# Altium PCB PCB1.PcbDoc (part 1 of 3)
Units mm, origin at the board's own origin, x right, y up, seen from the top; angles counter-clockwise.
Board outline 80 x 100 mm, 4 copper layers (Top Layer, Layer 1, Layer 2, Bottom Layer), stack 1.683 mm thick; 223 components, 229 nets, 969 pads, 380 vias.
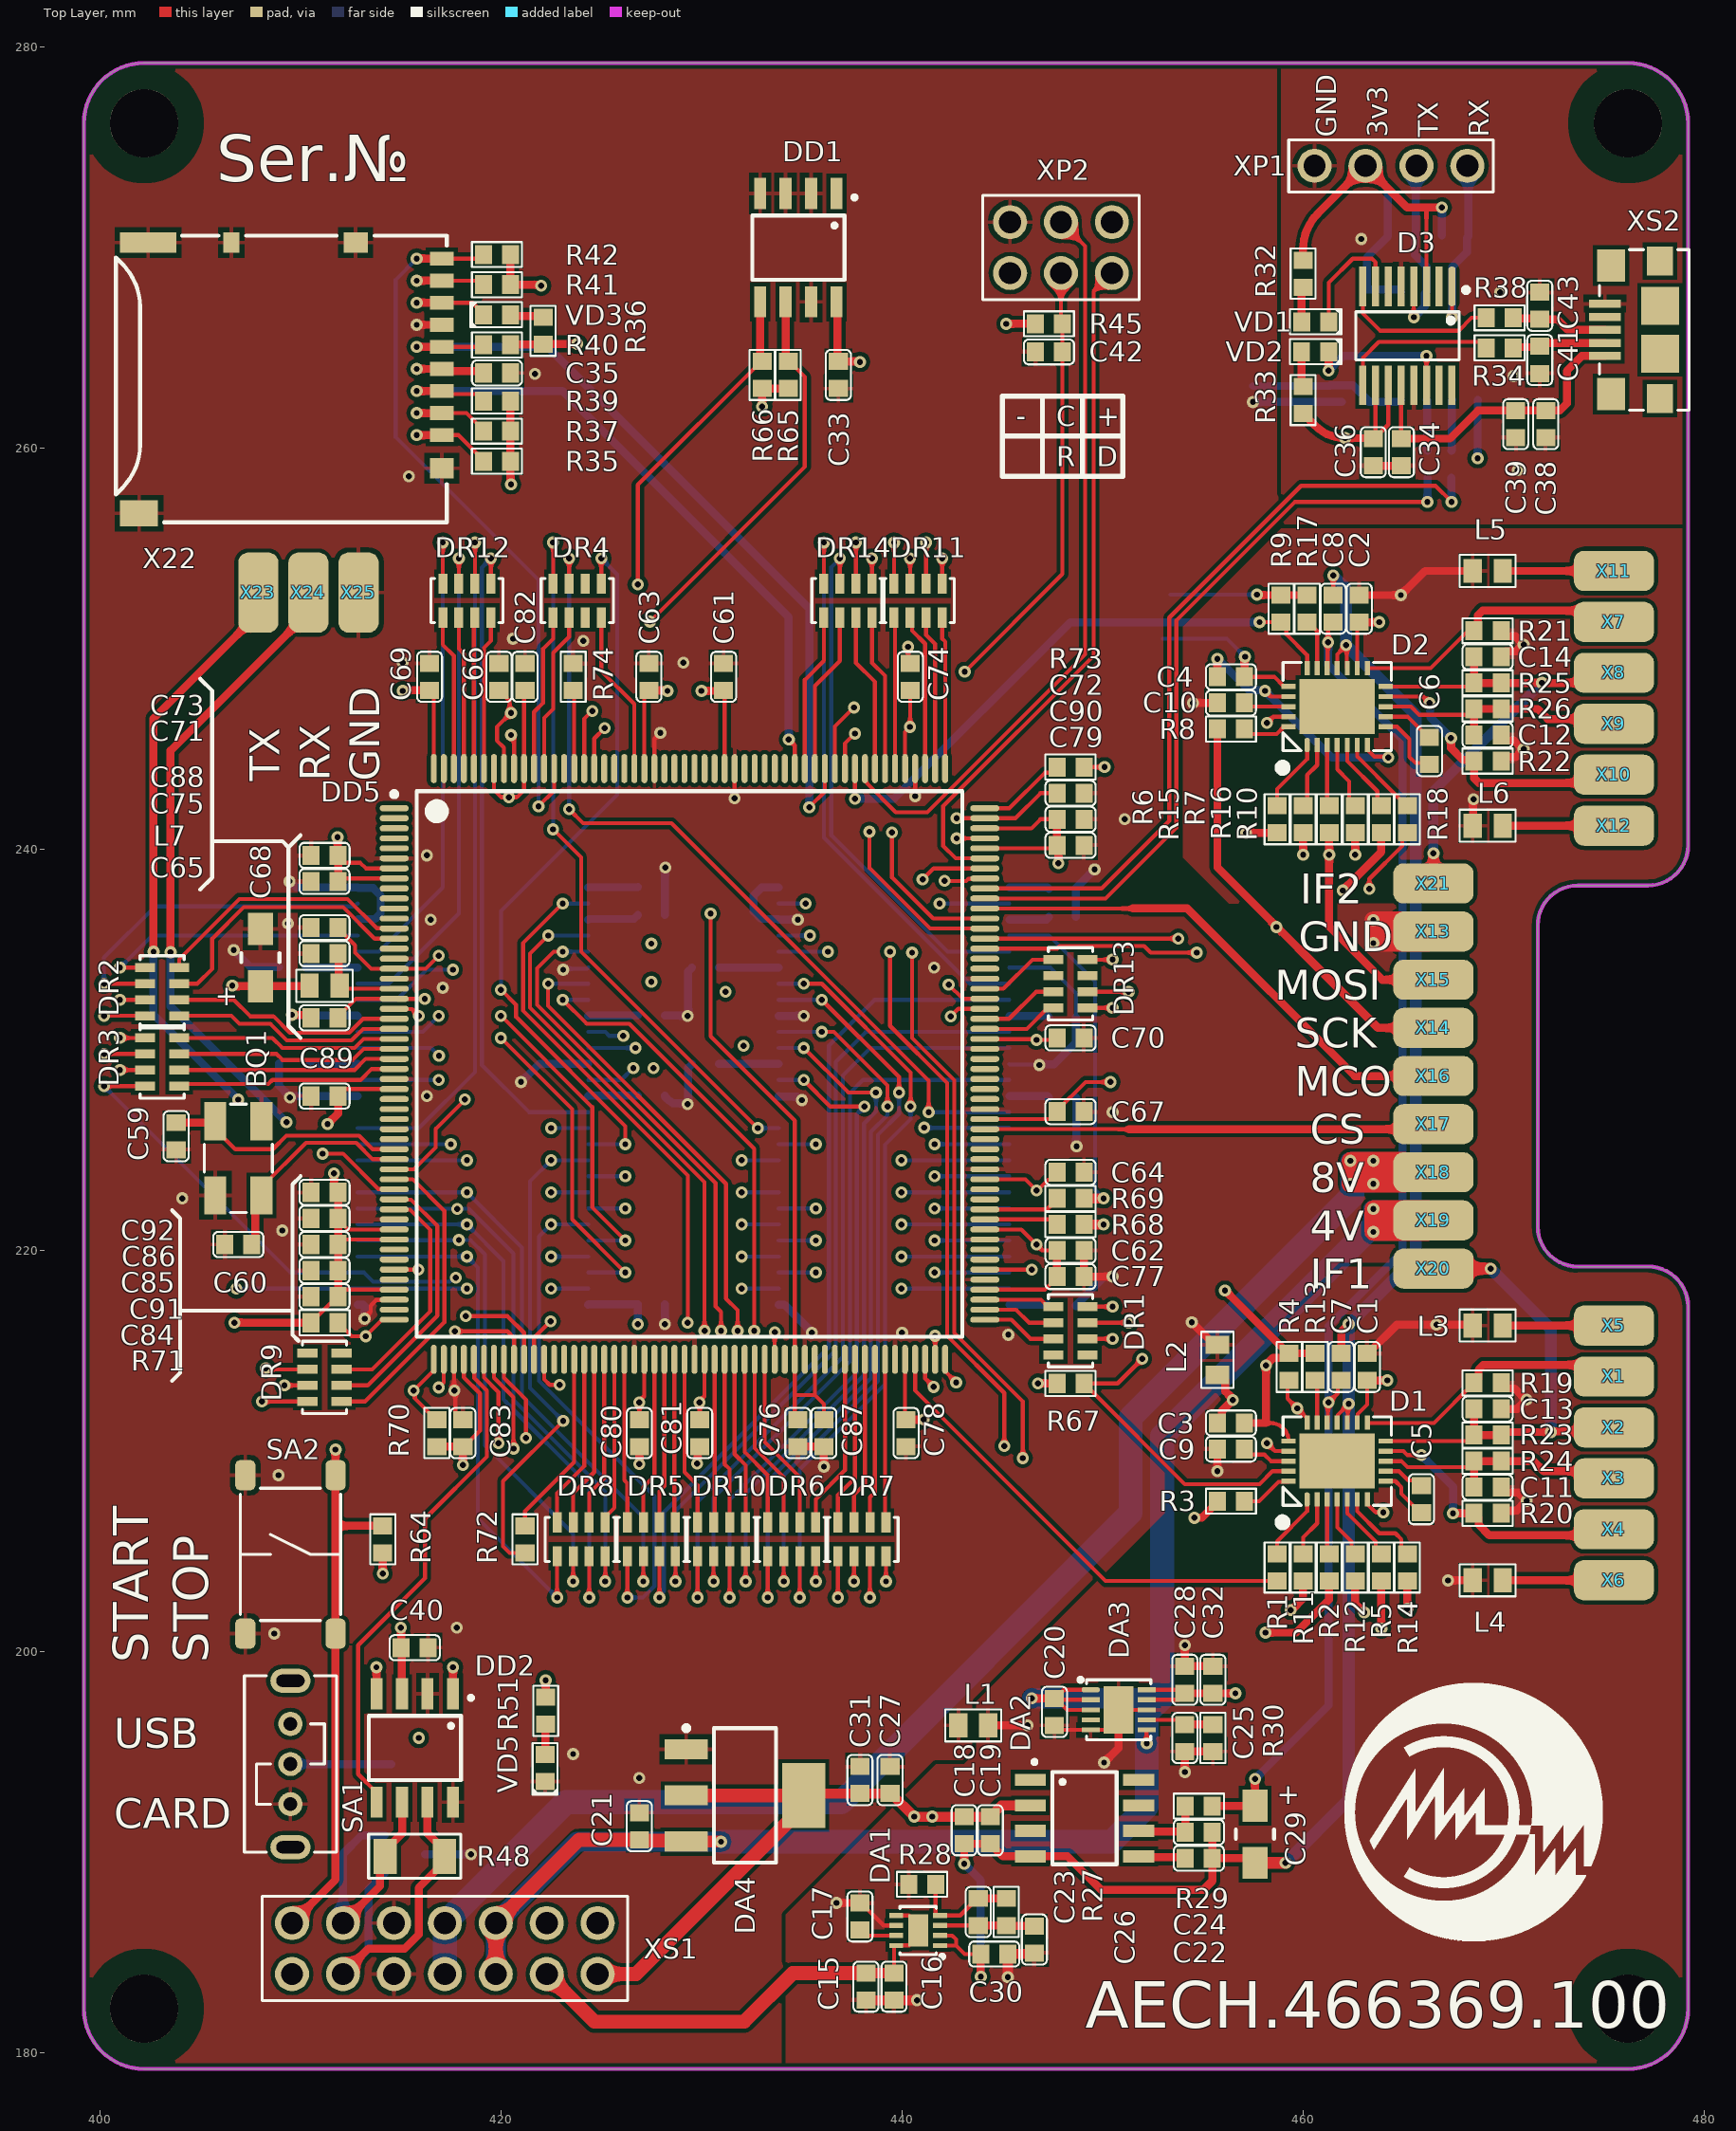
[diagram p0: Top Layer view]
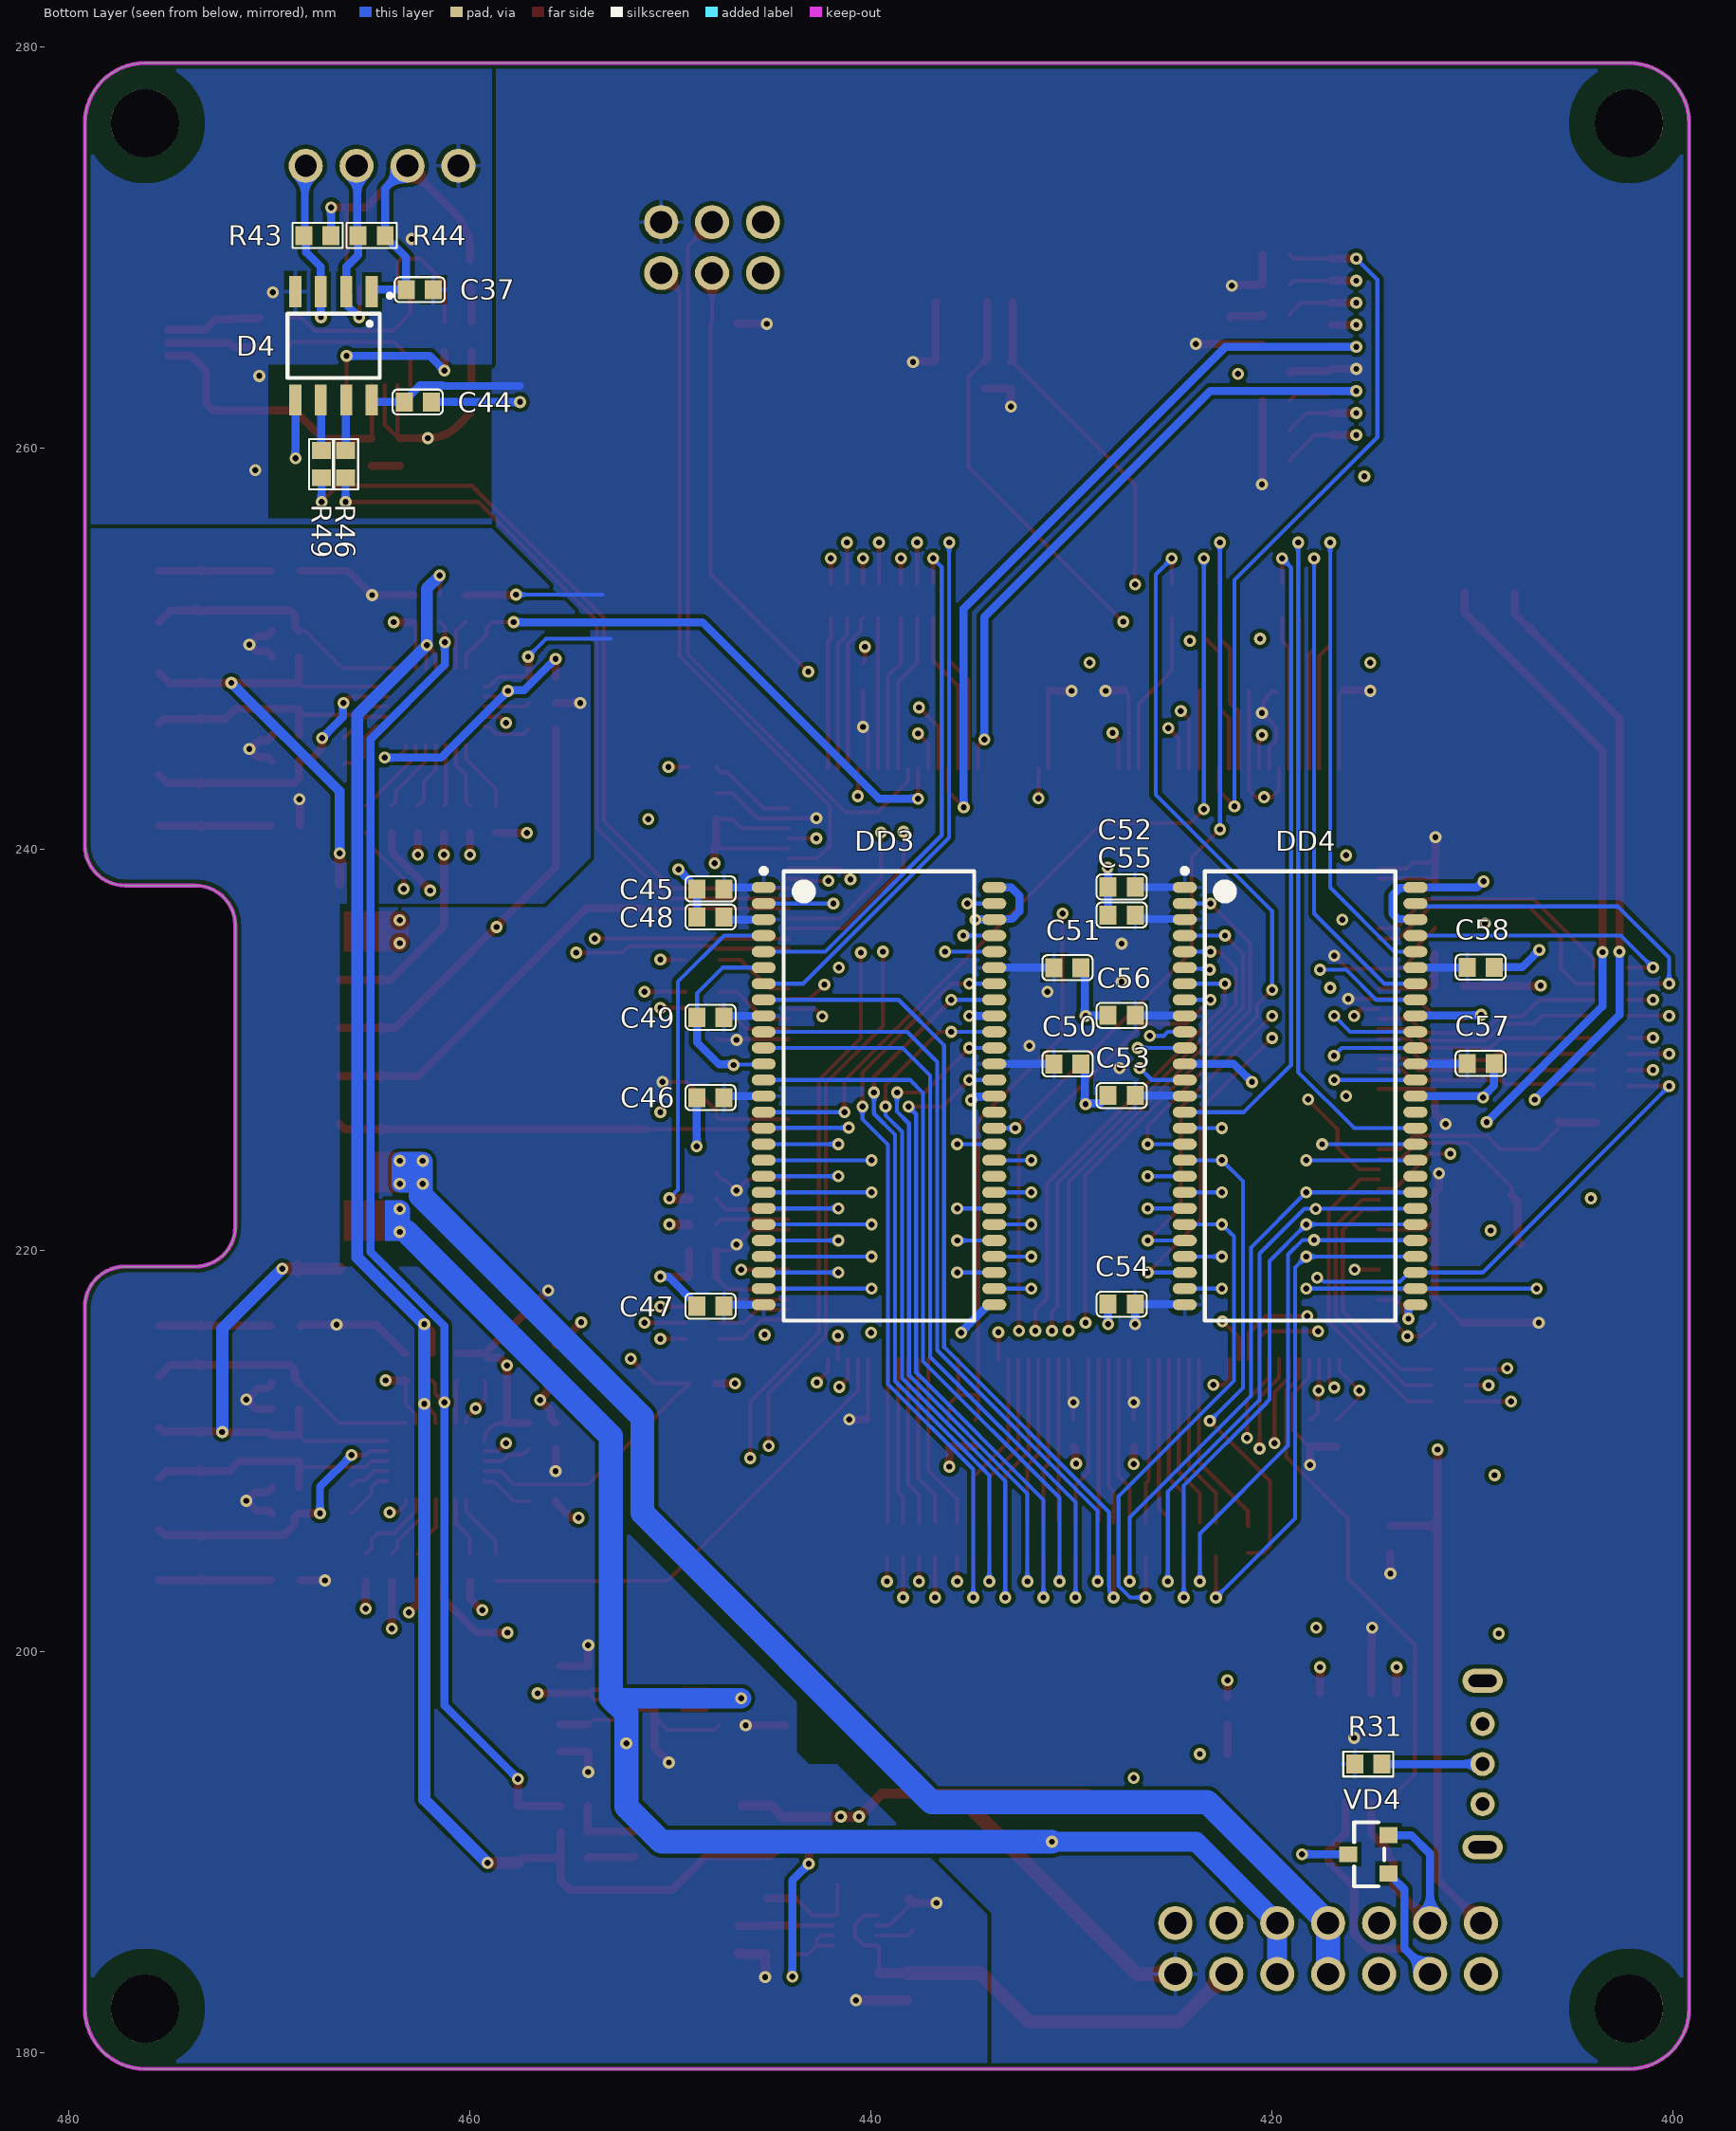
[diagram p1: Bottom Layer view, seen from below]
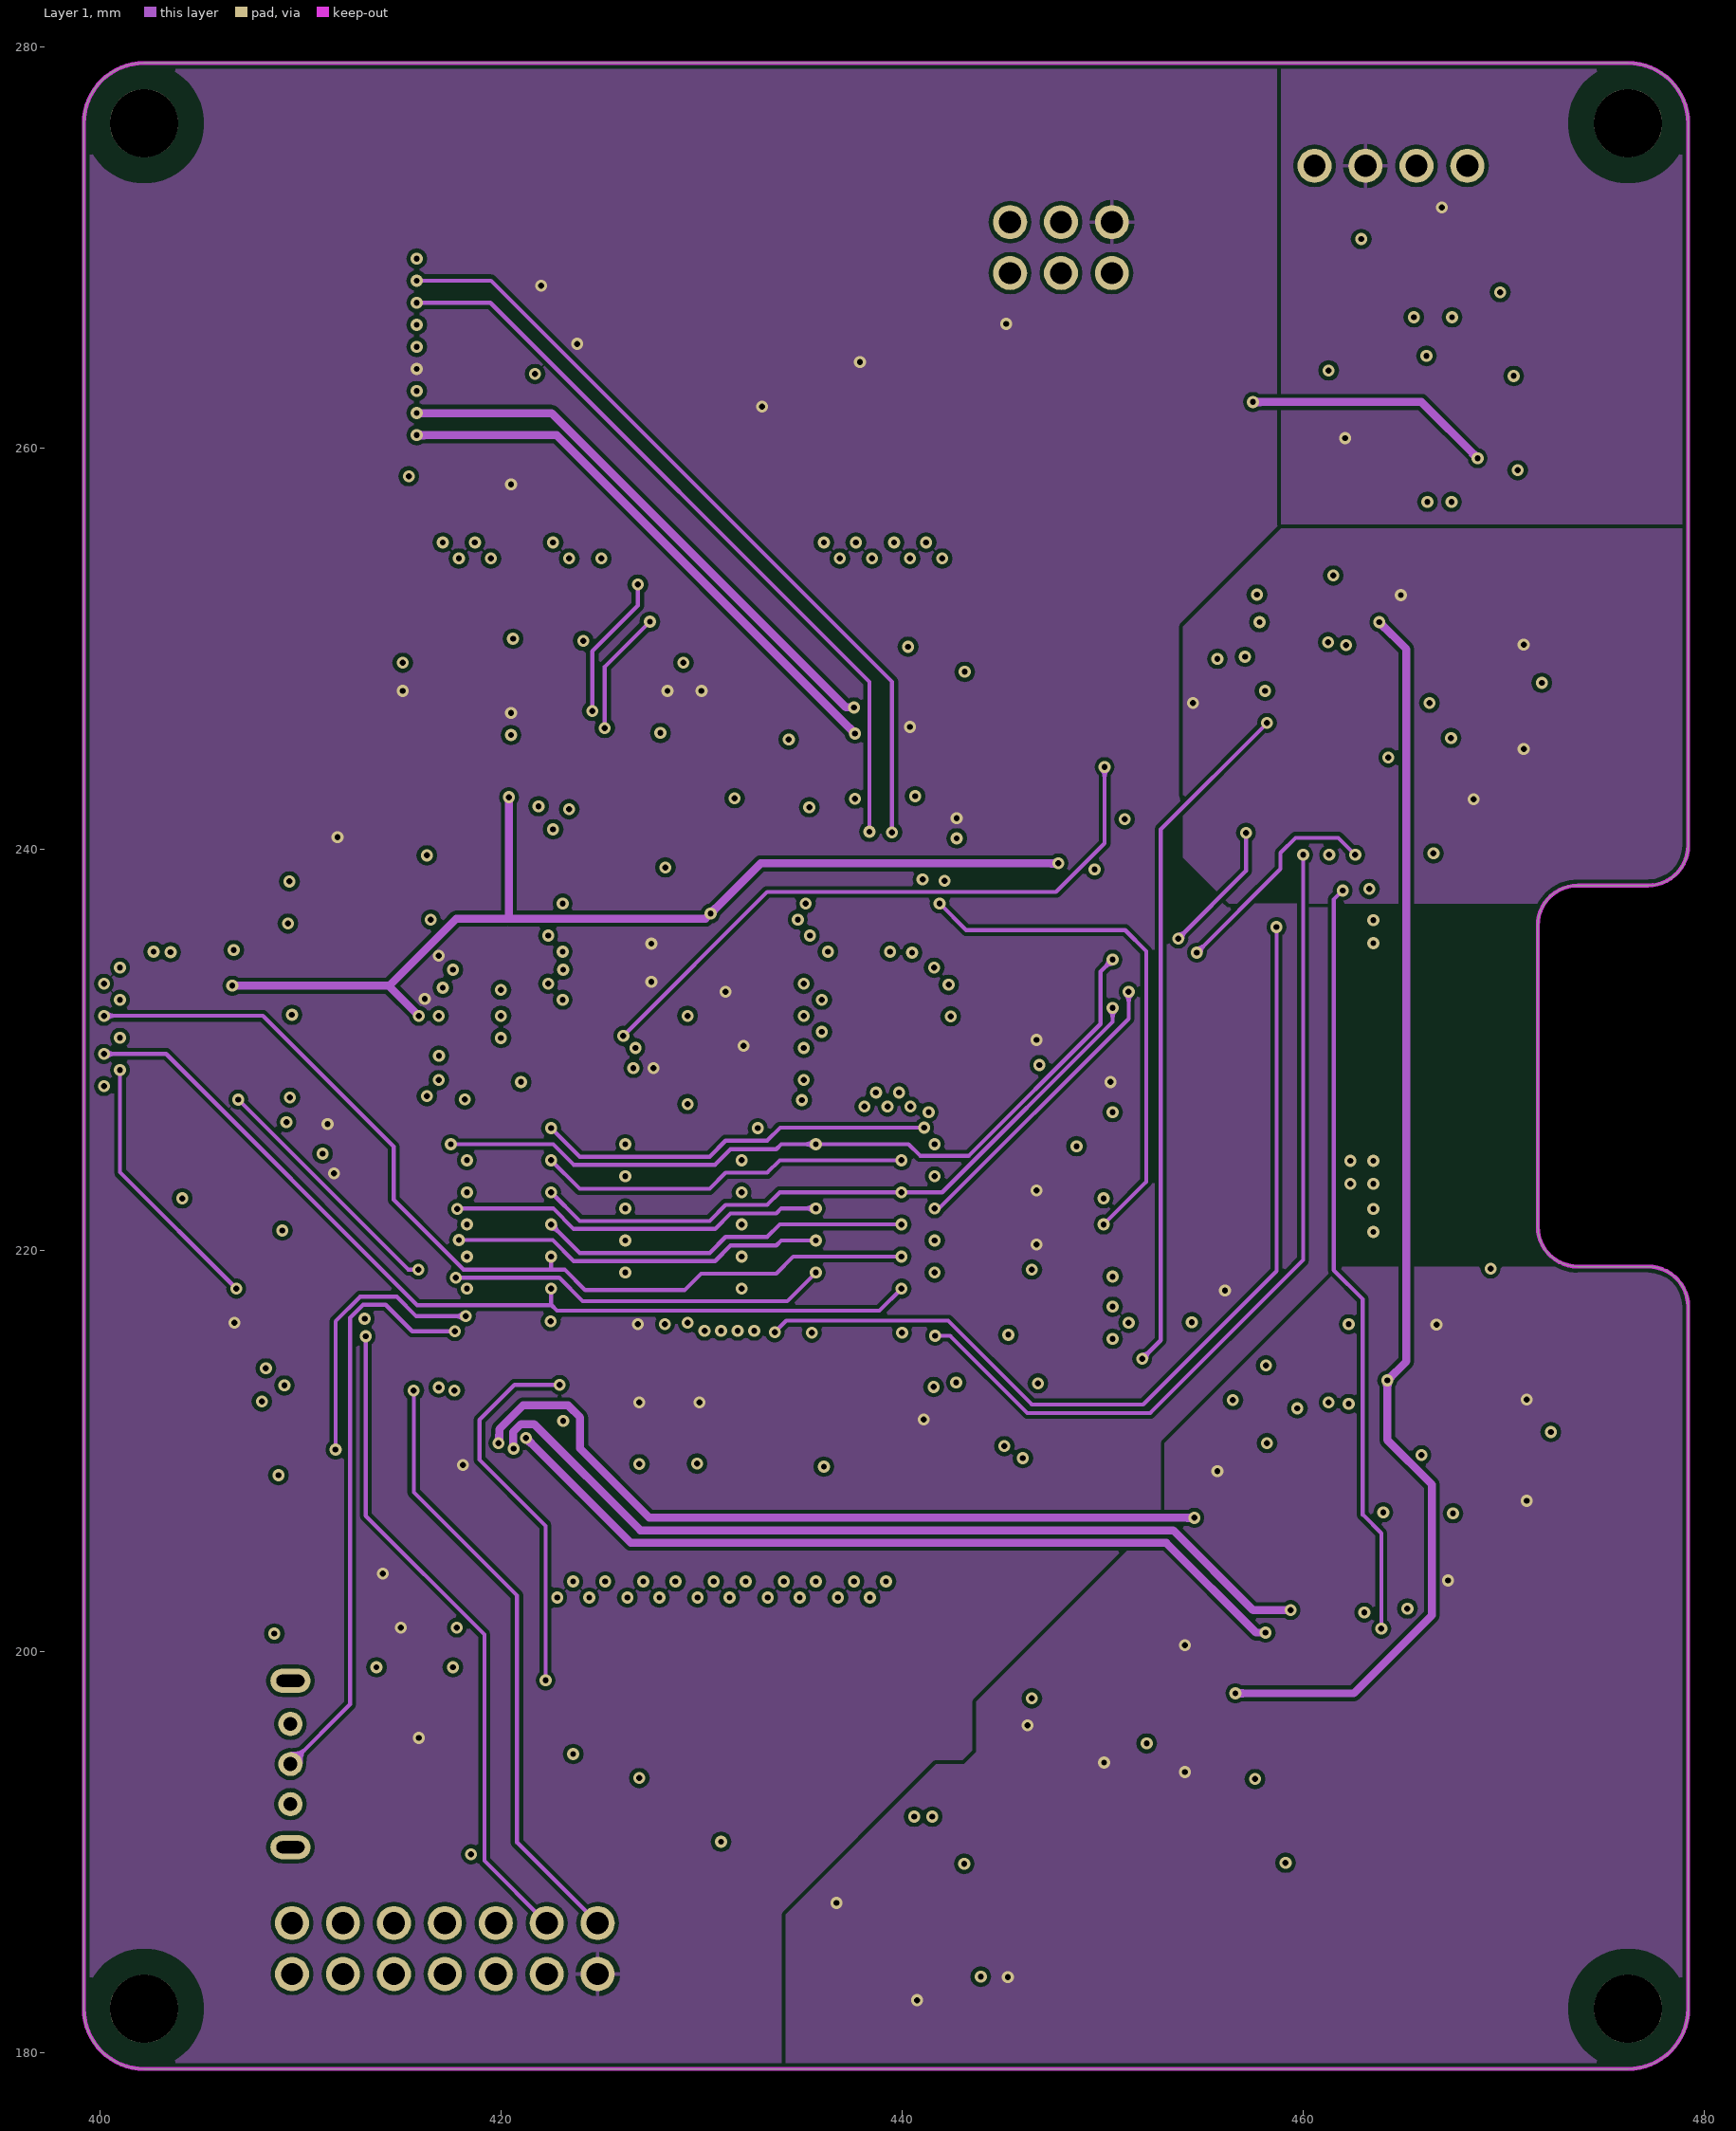
[diagram p2: Layer 1]
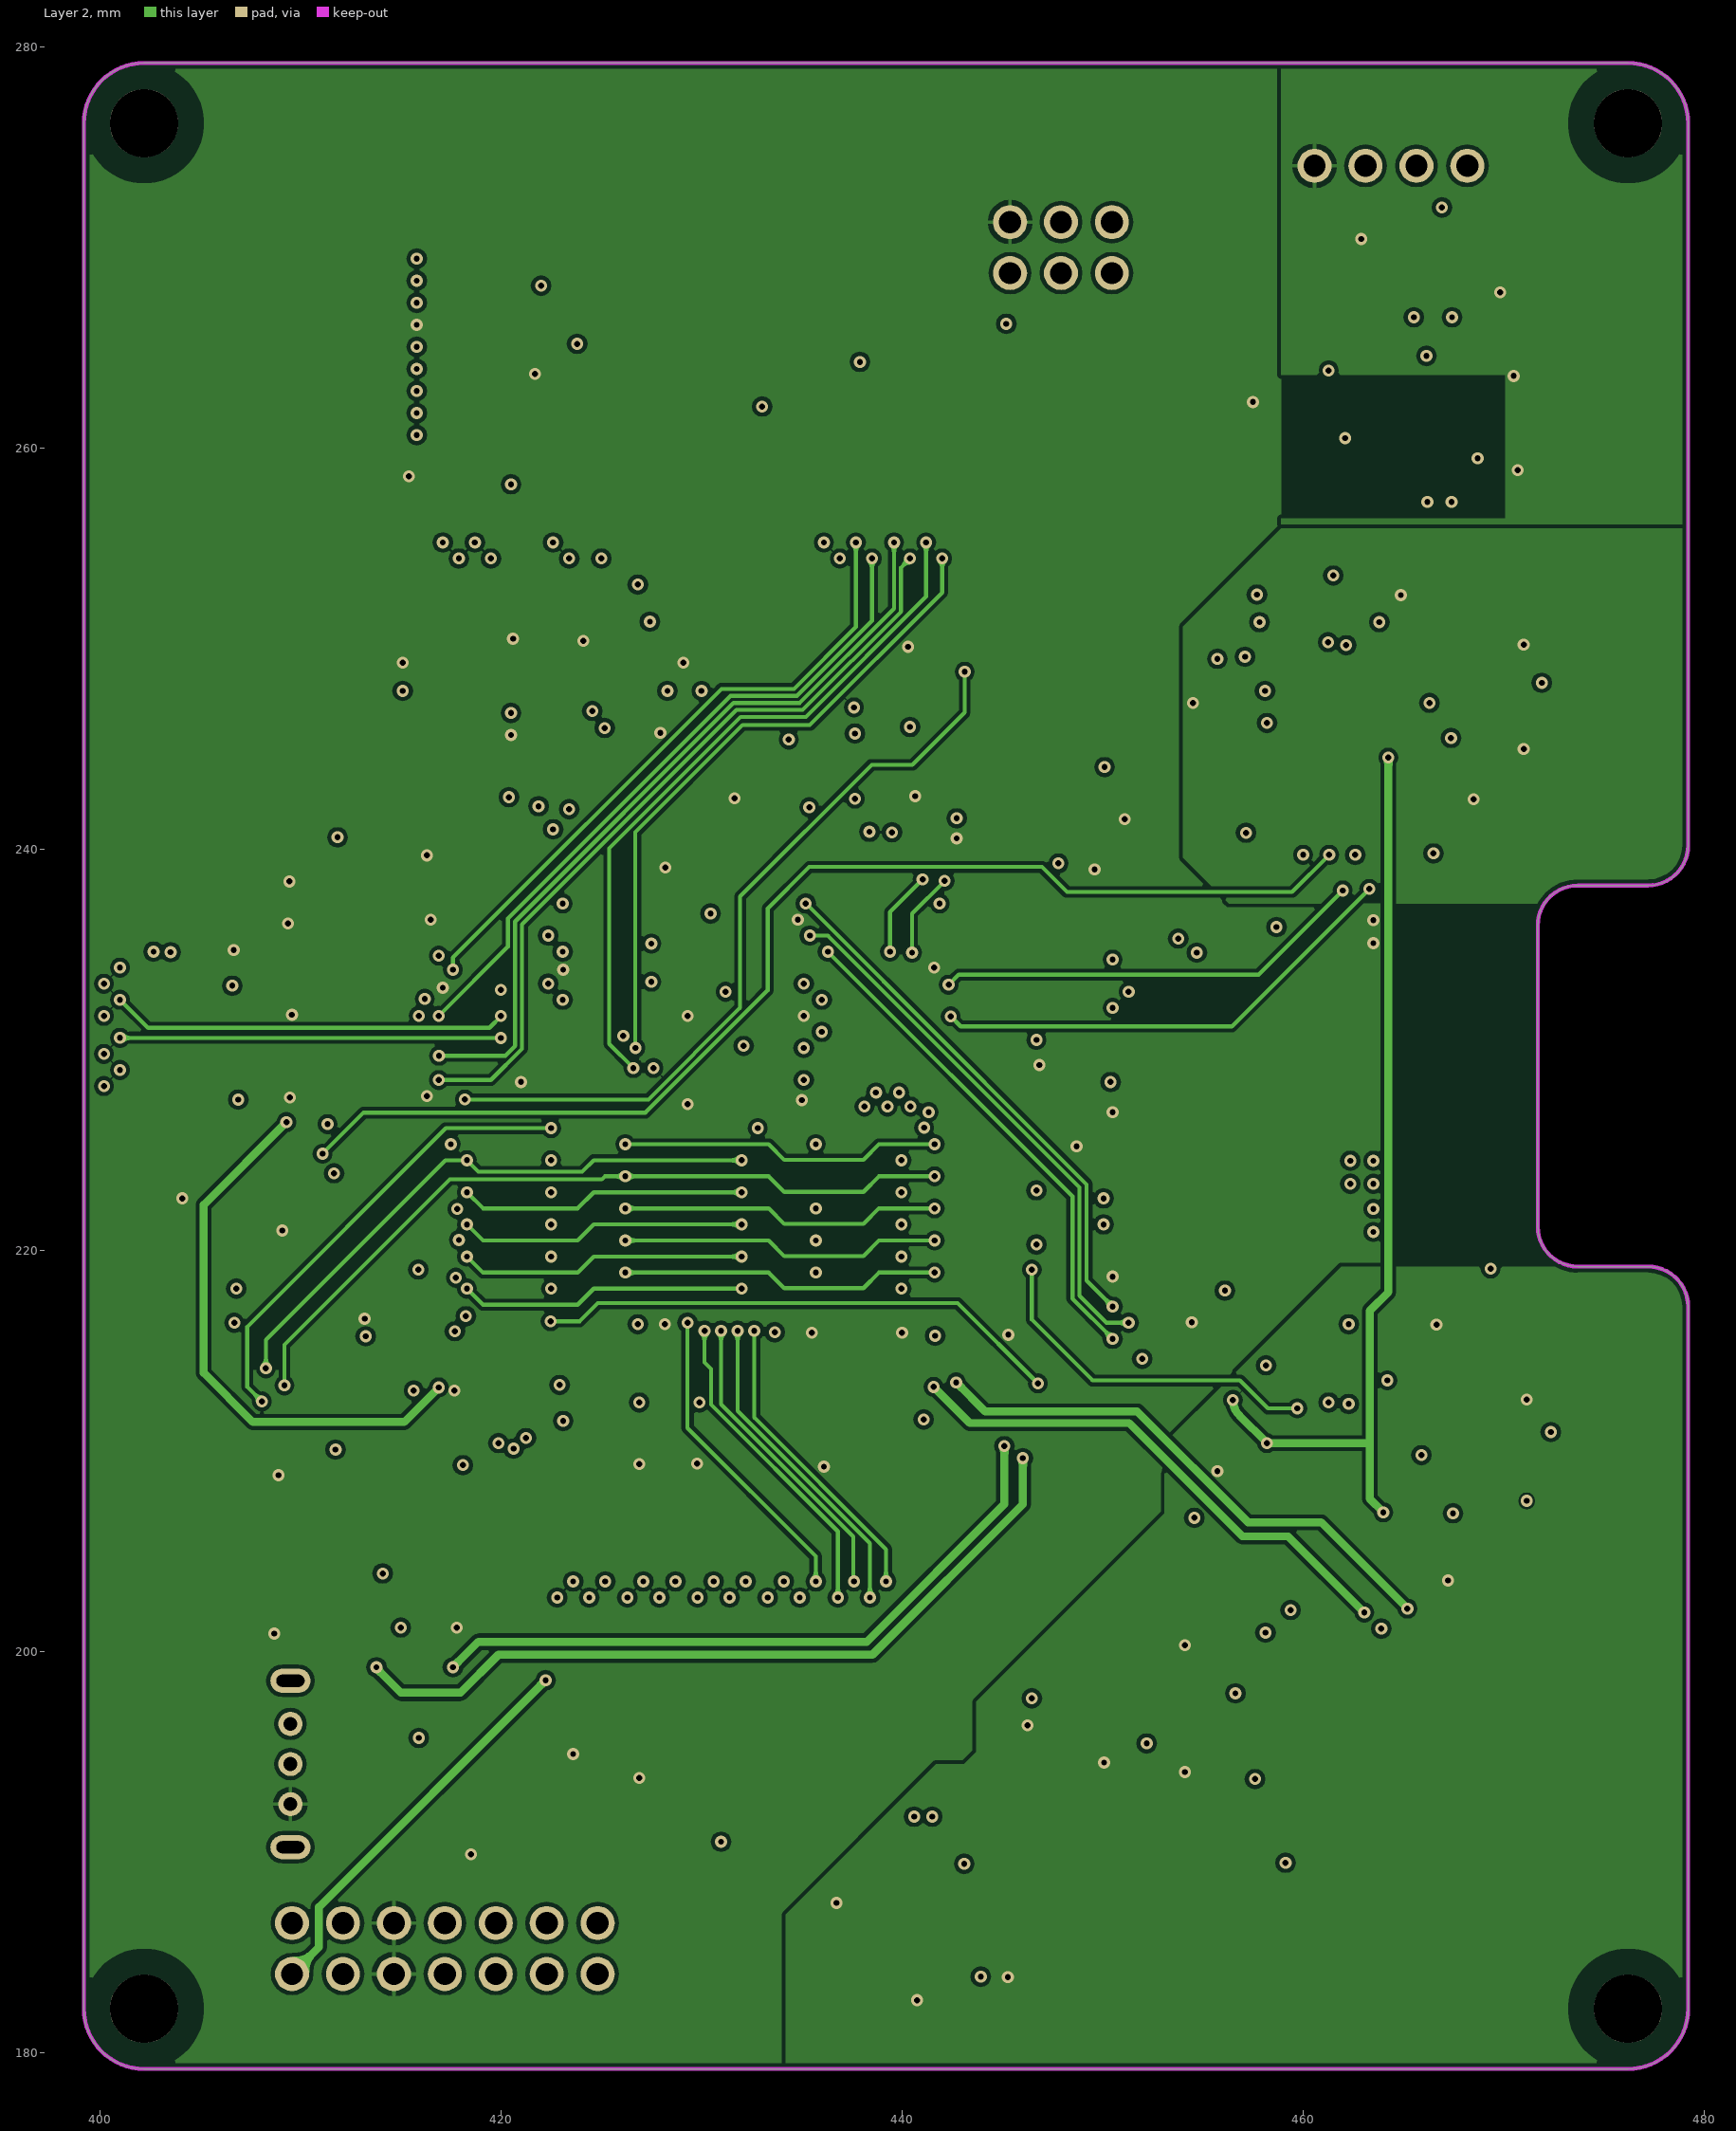
[diagram p3: Layer 2]
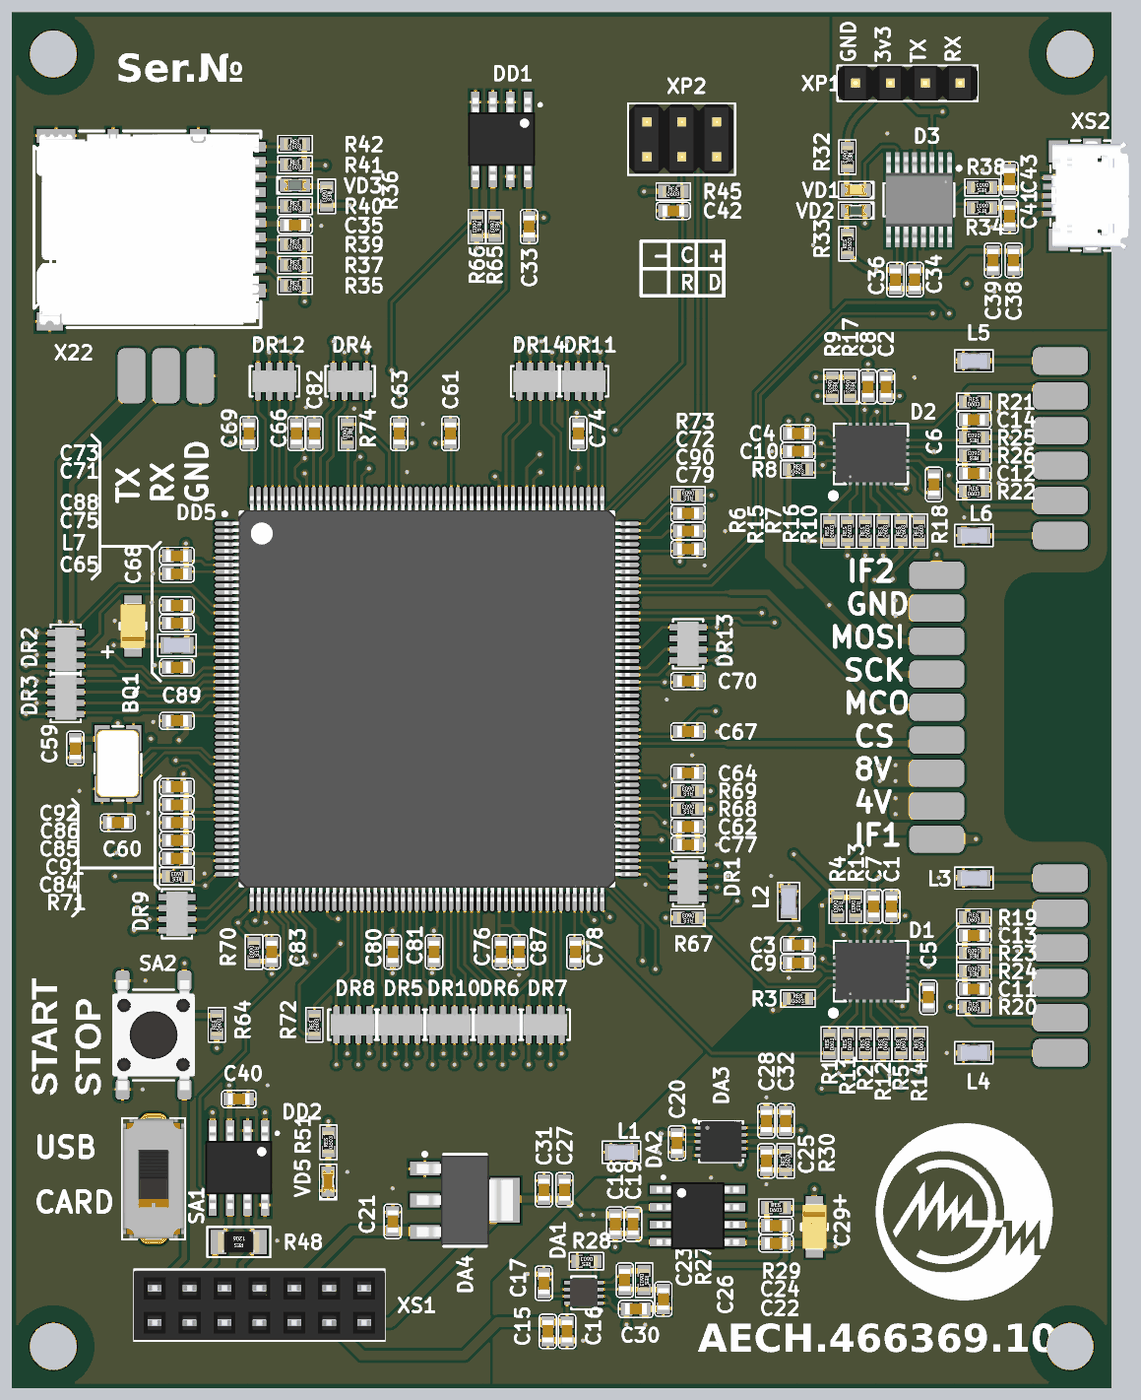
[diagram p6: 3D render of the assembled board from above, using the file's embedded part models]
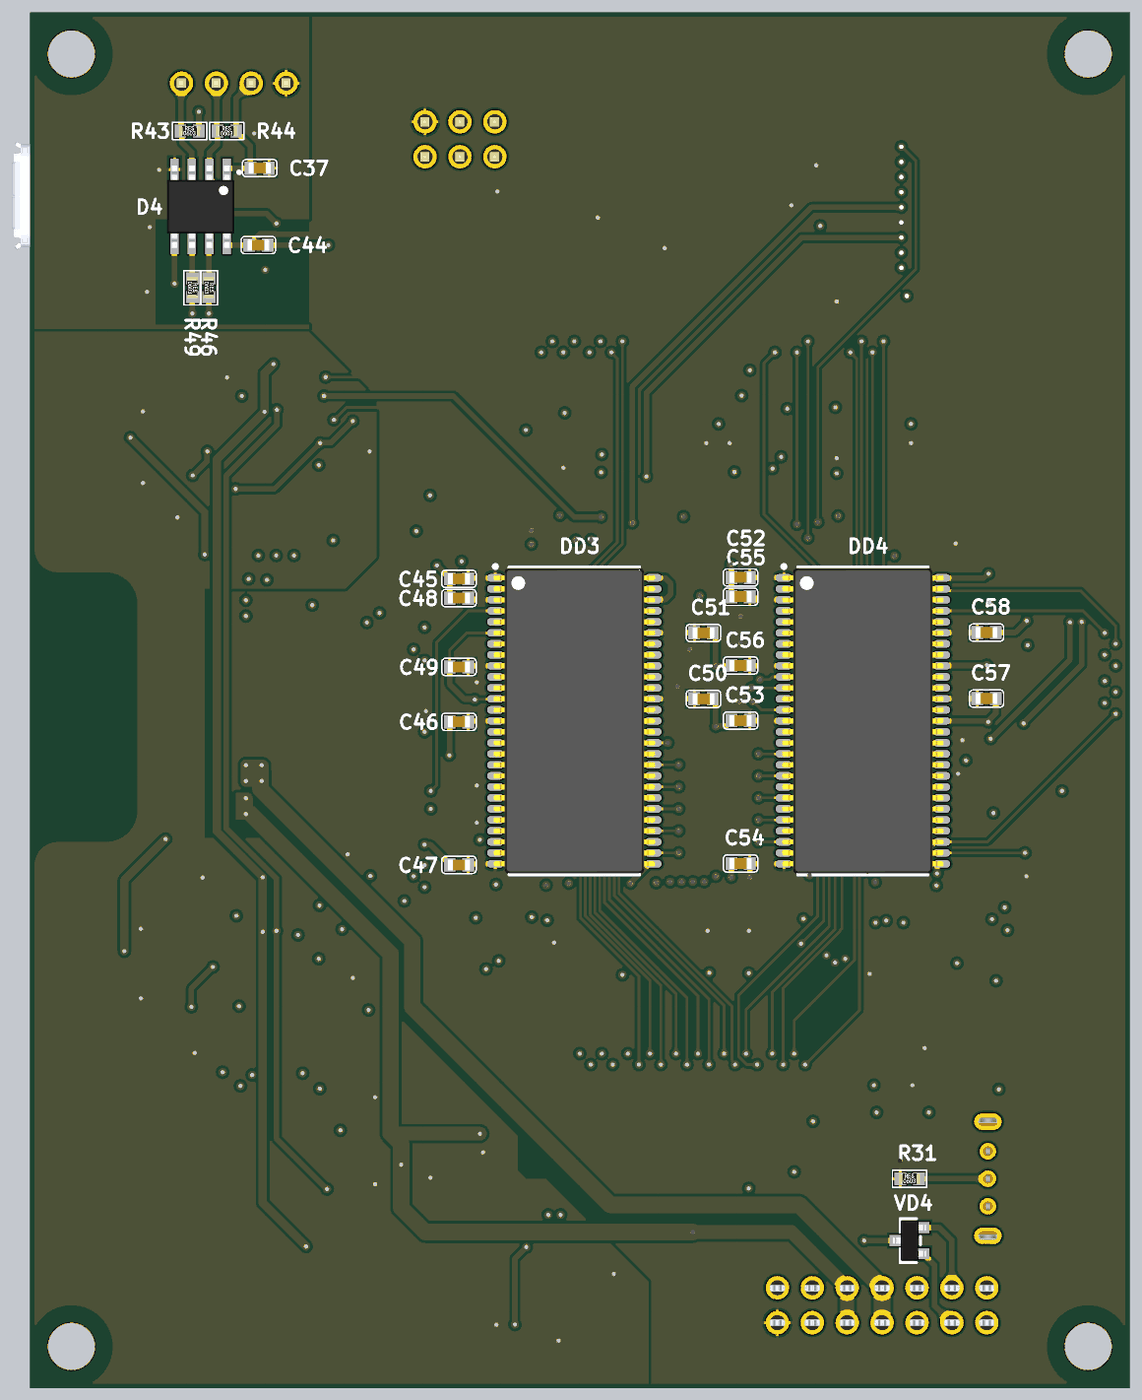
[diagram p7: 3D render of the assembled board from below, using the file's embedded part models]

## Layer stack, top to bottom
Top Solder: solder mask 0.0102, Solder Resist, Dk 3.5
Top Layer: signal copper 0.0356
Dielectric 2: prepreg 0.0711, PP-006, Dk 4.1
Layer 1: signal copper 0.035
Dielectric 1: dielectric 1.4, FR-4, Dk 4.8
Layer 2: signal copper 0.035
Dielectric 3: prepreg 0.0711, PP-006, Dk 4.1
Bottom Layer: signal copper 0.0356
Bottom Solder: solder mask 0.0102, Solder Resist, Dk 3.5

## Board outline
399.2,182.2 ccw(c402.2,182.2) 402.2,179.2 476.2,179.2 ccw(c476.2,182.2) 479.2,182.2 479.2,217.2 ccw(c477.2,217.2) 477.2,219.2 473.7,219.2 cw(c473.7,221.2) 471.7,221.2 471.7,236.2 cw(c473.7,236.2) 473.7,238.2 477.2,238.2 ccw(c477.2,240.2) 479.2,240.2 479.2,276.2 ccw(c476.2,276.2) 476.2,279.2 402.2,279.2 ccw(c402.2,276.2) 399.2,276.2